# KiCad board 8851_HW-U1-VCU118_REV2-0_071417.kicad_pcb (continued)
## Routing (per net, layer and track width the routed paths; a pad name or vN(x,y) marks a point on that pad's centre or on a via; arc(x,y) is an arc through that point) (continued)
  07_SIG3 w0.287: 92.9,81.23 92.36,81.77 92.36,91.99 89.59,94.75 89.59,95.03 89.3,95.32 89.3,95.69 90.04,96.43 90.04,96.78 89.62,97.2 89.62,98.45 89.83,98.66 90.02,98.66 90.2,98.84 90.2,99.12 90.05,99.28 89.86,99.28 89.58,99.56 89.58,100.51 89.24,100.85 88.47,100.85 88.26,100.63 88.02,100.63 87.85,100.8 87.85,101.4 87.68,101.57 86.82,101.57 86.6,101.35 86.6,100.05 86.15,99.6 85.74,99.6 85.47,99.87 85.47,100.17 86.01,100.71 86.01,100.95 85.84,101.11 85.6,101.11 84.99,100.5 84.84,100.5 84.45,100.89 84.45,102.35 80.58,106.22 80.58,107.1
RLD3_C3_72B_BA2: length 158
  TOP w0.15: U141.H8 v2(93.73,113.51) ; 73.64,113.85 v2(73.15,113.35) ; v2(98.66,71.7) 99.15,71.2
  TOP w0.237: v2(93.73,107.6) 94.41,106.92 94.6,106.92
  05_SIG2 w0.258: v2(93.73,107.6) 93.22,108.1 93.22,113 v2(93.73,113.51)
  07_SIG3 w0.17: 82.08,107.1 82.08,107.66 81.53,108.22 81.53,112.63 81.29,112.86 74.78,112.86 74.29,113.35 v2(73.15,113.35) ; 93.72,89.52 93.72,87.05 93.3,86.62 93.3,83.25 93.6,82.95 93.9,82.95 94.15,82.7 94.15,82.4 94.52,82.03 94.93,82.03 95.21,81.74 95.21,81.33 95.5,81.05 95.91,81.05 96.2,80.76 96.2,80.35 96.49,80.06 97,80.06 97.15,79.91 97.15,79.35 97.4,79.1 97.88,79.1 98.15,79.38 98.15,79.9 98.31,80.06 103.9,80.06 104.1,79.86 104.1,76.38 104.35,76.13 104.78,76.13 105.02,75.9 105.02,75.39 105.28,75.13 105.83,75.13 105.99,74.98 105.99,74.48 106.29,74.18 113.69,74.18 113.91,73.95 113.91,73.33 113.77,73.2 112.13,73.2 111.94,73 111.94,72.38 112.11,72.21 113.74,72.21 113.91,72.04 113.91,71.39 113.74,71.22 111.09,71.22 110.92,71.4 110.92,72.93 110.7,73.15 110.14,73.15 109.96,72.96 109.96,71.41 109.77,71.22 109.13,71.22 108.96,71.39 108.96,72.91 108.74,73.14 106.36,73.14 106.03,73.47 106.03,73.83 105.73,74.12 100.38,74.12 100.12,73.87 100.12,73.5 99.83,73.2 98.31,73.2 98.14,73.03 98.14,72.51 98.66,71.99 v2(98.66,71.7)
  07_SIG3 w0.287: 93.72,89.52 93.72,95.08 92.85,95.95 92.85,95.97 92.32,96.5 92.32,101 93.76,102.43 93.76,103.99 93.55,104.2 86.38,104.2 86.18,104.01 86.18,103.8 85.99,103.6 85.71,103.6 85.52,103.8 85.52,104.01 85.33,104.2 84.51,104.2 82.08,106.62 82.08,107.1
  14_SIG4 w0.087: v2(93.73,113.51) 93.65,113.58 93.65,113.82 93.83,114.01 95.07,114.01 95.16,114.09 95.16,114.26 94.72,114.7 94.26,114.7 94.15,114.59 94.15,114.43 94.04,114.32 93.89,114.32 93.78,114.43 93.78,114.59 93.67,114.7 93.52,114.7 93.41,114.59 93.41,114.15 93.32,114.06 93.17,114.06 93.05,114.19 93.05,114.59 92.94,114.7 90.28,114.7 89.86,114.28 85.32,114.28 84.23,115.37 83.86,115.37 83.12,116.11 82.97,116.11 82.74,115.88 82.59,115.88 82.48,115.99 82.48,116.14 82.71,116.37 82.71,116.52 82.43,116.8 79.76,116.8 79.55,116.59 79.55,116.11 79.26,115.82 77.8,115.82 77.58,115.6 77.58,114.95 77.76,114.78 78.18,114.78 78.57,114.39 78.57,114.23 78.48,114.14 77.42,114.14 77.31,114.25 77.31,114.72 77.2,114.83 77.04,114.83 76.94,114.73 76.94,114.25 76.83,114.14 76.54,114.14 76.43,114.25 76.43,114.42 76.33,114.52 76.17,114.52 76.06,114.41 76.06,114.25 75.96,114.14 75.8,114.14 75.7,114.25 75.7,114.37 75.59,114.47 75.44,114.47 75.33,114.37 75.33,114.25 75.22,114.14 75.07,114.14 74.96,114.25 74.96,114.37 74.85,114.47 74.7,114.47 74.59,114.37 74.59,114.25 74.49,114.14 74.42,114.14 73.7,113.42 73.7,112.03 73.55,111.88 72.95,111.88 72.66,112.17 72.66,113.64 72.78,113.76 73.03,113.76 73.15,113.65 v2(73.15,113.35)
RLD3_C3_72B_BA3: length 160.2
  TOP w0.15: U141.H6 v2(90.78,113.51) ; v2(99.64,71.7) 100.13,71.2 ; 73.64,115.81 v2(73.15,116.31)
  TOP w0.237: v2(89.79,107.6) 89.79,106.94
  05_SIG2 w0.258: v2(89.79,107.6) 90.28,108.09 90.28,108.79 90.57,109.08 90.98,109.08 91.27,109.37 91.27,113.01 v2(90.78,113.51)
  07_SIG3 w0.17: v2(99.64,71.7) 99.34,71.7 99.2,71.83 99.2,72.07 99.33,72.21 99.79,72.21 100.13,72.55 100.13,72.92 100.36,73.15 105.82,73.15 106.06,72.91 106.06,72.48 106.32,72.21 107.8,72.21 107.97,72.04 107.97,70.35 108.14,70.18 115.63,70.18 115.86,70.41 115.86,70.92 115.6,71.18 115.08,71.18 114.93,71.33 114.93,74.91 114.7,75.15 106.28,75.15 106.02,75.42 106.02,75.76 105.72,76.06 105.4,76.06 105.08,76.39 105.08,80.8 104.83,81.05 98.32,81.05 98.17,80.9 98.17,80.4 97.85,80.08 97.47,80.08 97.17,80.38 97.17,80.8 96.92,81.05 96.49,81.05 96.2,81.33 96.2,81.74 95.91,82.03 95.5,82.03 95.21,82.32 95.21,82.73 95.01,82.94 94.61,82.94 94.2,83.35 94.2,86.67 94.4,86.88 94.4,89.52 ; v2(90.78,113.51) 91.28,114.01 91.28,115.27 91.28,115.27 91.28,115.67 91.28,115.68 91.28,116.26 91.28,116.26 91.28,116.66 91.28,117.24 91.28,117.24 91.28,120.69 91.47,120.88 92.27,120.88 92.48,120.67 92.48,115.44 92.06,115.02 92.06,114.86 92.15,114.77 92.55,114.77 92.65,114.68 92.65,114.46 92.56,114.37 91.8,114.37 91.72,114.3 91.72,114.09 91.83,113.98 92.46,113.98 92.55,113.89 92.55,113.19 92.38,113.01 87.62,113.01 87.33,113.3 87.33,113.71 86.99,114.05 84.95,114.05 82.2,116.8 81.72,116.8 81.53,116.99 81.53,117.62 81.38,117.77 80.71,117.77 80.54,117.6 80.54,117.04 80.29,116.8 74.8,116.8 74.31,116.31 v2(73.15,116.31) 72.65,115.81 72.65,115.05 73.69,114.02 82.15,114.02 82.55,113.62 82.55,107.57 83.02,107.1
  07_SIG3 w0.287: 83.02,107.1 84.09,106.03 84.9,106.03 85.82,105.11 91.84,105.11 92.79,106.06 93.65,106.06 94.02,105.68 94.02,104.79 94.45,104.36 94.45,102.18 93.53,101.26 93.53,99.92 94,99.44 94,95.75 94.4,95.35 94.4,89.52
RLD3_C3_72B_CK_N: length 158
  TOP w0.142: v2(75.12,115.32) U142.G7 ; v2(100.63,71.7) 101.12,71.2 ; v2(91.76,115.47) U141.G7
  03_SIG1 w0.135: 85.45,114.96 85.41,114.96 85.38,114.92 84.11,114.92 84,115.02 84,115.5 84.5,116 85.1,116 85.34,116.24 85.34,116.57 85.09,116.81 84.69,116.81 84.57,116.93 84.57,117.05 84.69,117.17 85.09,117.17 85.34,117.42 85.34,117.72 85.09,117.97 84.69,117.97 84.62,118.04 84.62,118.3 84.78,118.45 84.78,118.76 84.47,119.07 84.42,119.07 84.3,119.19 84.3,119.72 84.07,119.95 83.41,119.95 83.19,119.73 83.19,119.34 83.12,119.27 82.74,119.27 82.53,119.07 82.53,118.32 82.73,118.11 83.15,118.11 83.22,118.04 83.22,117.79 83.15,117.71 82.74,117.71 82.53,117.5 82.53,117.07 82.74,116.86 83.07,116.86 83.15,116.79 83.15,116.56 83.05,116.46 82.76,116.46 82.53,116.23 82.53,115.85 82.76,115.61 83,115.61 83.1,115.51 83.1,115.32 82.98,115.19 82.74,115.19 82.5,114.95 82.5,114.84 82.43,114.77 82.35,114.77 82.31,114.81 82.28,114.81
  03_SIG1 w0.175: v2(75.12,115.32) 74.37,115.32 74.2,115.15 74.2,114.85 73.88,114.52 72.18,114.52 72.08,114.42 72.08,114.22 72.15,114.15 74.24,114.15 74.9,114.81 82.28,114.81 ; v2(91.76,115.47) 91.76,114.86 91.57,114.67 91.01,114.67 90.73,114.96 90.3,114.96 89.98,114.63 89.98,114.5 89.82,114.35 89.6,114.35 89.45,114.5 89.45,114.63 89.12,114.96 88.65,114.96 88.33,114.63 88.33,114.5 88.17,114.35 87.95,114.35 87.8,114.5 87.8,114.63 87.47,114.96 86.88,114.96 86.57,114.65 86.35,114.65 86.05,114.96 85.45,114.96
  07_SIG3 w0.125: 95.36,88.13 95.32,88.09 95.32,85.28 95.62,84.97 ; 96.18,83.16 96.3,83.05 96.3,82.32 96.48,82.14 105.87,82.14 106.14,81.86 106.14,76.4 106.32,76.23 116.15,76.23 116.42,75.95 116.42,75.42 116.03,75.03 116.03,74.72 116.16,74.6 116.35,74.6 116.6,74.35 116.6,73.93 116.35,73.68 116.16,73.68 116.03,73.56 116.03,73.31 116.16,73.18 116.35,73.18 116.6,72.94 116.6,72.49 116.35,72.24 116.13,72.24 116.01,72.12 116.01,71.87 116.13,71.74 116.35,71.74 116.6,71.49 116.6,69.56 116.17,69.13 107.27,69.13 106.92,69.48 106.92,70.09 106.92,70.09 106.92,70.9 106.72,71.1 106.19,71.1 105.94,71.36 105.94,71.86 105.71,72.09 100.98,72.09 100.63,71.73 v2(100.63,71.7)
  07_SIG3 w0.175: v2(75.12,115.32) 74.59,115.85 74.11,115.85 73.82,115.56 73.82,115.08 74.16,114.74 82.28,114.74
  07_SIG3 w0.205: 82.28,114.74 82.77,114.74 83.37,114.14 83.37,108.2 84.53,107.04 96.87,107.04 97.38,106.53 97.38,106 97,105.61 96.78,105.61 96.58,105.41 96.58,105 96.78,104.79 97,104.79 97.38,104.41 97.38,103.81 96.27,102.69 96.27,101.9 95.43,101.06 95.2,101.06 94.93,100.79 94.93,96.58 95.36,96.14 95.36,88.13
  07_SIG3 w0.234: 96.18,83.16 96.18,84.7 95.91,84.97 95.62,84.97
  BOTTOM w0.142: R1292.1 91.05,114.99 91.3,115.24 91.3,115.44 91.46,115.6 91.63,115.6 v2(91.76,115.47)
RLD3_C3_72B_CK_P: length 157.9
  TOP w0.142: 73.64,114.83 v2(73.15,115.32) ; 101.12,70.22 v2(100.63,70.71) ; v2(91.76,113.51) U141.H7
  03_SIG1 w0.135: 85.45,114.66 85.41,114.66 85.38,114.7 84.01,114.7 83.78,114.93 83.78,115.59 84.41,116.22 85.01,116.22 85.11,116.33 85.11,116.47 85,116.59 84.6,116.59 84.35,116.84 84.35,117.14 84.6,117.39 85,117.39 85.11,117.51 85.11,117.63 85,117.75 84.6,117.75 84.4,117.94 84.4,118.39 84.55,118.54 84.55,118.67 84.38,118.85 84.33,118.85 84.07,119.1 84.07,119.63 83.98,119.72 83.5,119.72 83.41,119.64 83.41,119.25 83.22,119.05 82.83,119.05 82.75,118.97 82.75,118.41 82.82,118.34 83.24,118.34 83.45,118.13 83.45,117.7 83.24,117.49 82.83,117.49 82.75,117.41 82.75,117.17 82.83,117.09 83.16,117.09 83.37,116.88 83.37,116.47 83.14,116.24 82.85,116.24 82.75,116.14 82.75,115.94 82.85,115.84 83.09,115.84 83.32,115.61 83.32,115.22 83.07,114.97 82.84,114.97 82.72,114.86 82.72,114.75 82.53,114.55 82.35,114.55 82.31,114.51 82.28,114.51
  03_SIG1 w0.175: 82.28,114.51 75.03,114.51 74.36,113.85 72.03,113.85 71.78,114.1 71.78,114.55 72.05,114.83 73.75,114.83 73.9,114.97 73.9,115.15 73.73,115.32 v2(73.15,115.32) ; 85.45,114.66 85.92,114.66 86.23,114.35 86.7,114.35 87,114.66 87.35,114.66 87.5,114.5 87.5,114.38 87.83,114.05 88.3,114.05 88.63,114.38 88.63,114.5 88.78,114.66 89,114.66 89.15,114.5 89.15,114.38 89.48,114.05 89.95,114.05 90.28,114.38 90.28,114.5 90.43,114.66 90.61,114.66 v2(91.76,113.51)
  07_SIG3 w0.125: 95.11,85.05 95.11,88.09 95.06,88.13 ; 95.89,82.99 96.09,82.79 96.09,82.23 96.4,81.93 105.78,81.93 105.94,81.78 105.94,76.32 106.23,76.02 116.06,76.02 116.22,75.86 116.22,75.51 115.83,75.12 115.83,74.64 116.07,74.39 116.27,74.39 116.39,74.26 116.39,74.01 116.27,73.89 116.07,73.89 115.83,73.64 115.83,73.22 116.07,72.97 116.27,72.97 116.39,72.85 116.39,72.57 116.27,72.45 116.05,72.45 115.8,72.2 115.8,71.78 116.05,71.53 116.27,71.53 116.39,71.41 116.39,69.65 116.08,69.34 107.36,69.34 107.13,69.57 107.13,70.09 107.13,70.09 107.13,70.99 106.81,71.31 106.28,71.31 106.14,71.44 106.14,71.94 105.79,72.29 100.48,72.29 100.15,71.96 100.15,71.45 100.63,70.97 v2(100.63,70.71)
  07_SIG3 w0.175: v2(73.15,115.32) 74.04,114.44 82.28,114.44
  07_SIG3 w0.205: 95.06,88.13 95.06,96.02 94.63,96.45 94.63,100.91 95.08,101.36 95.31,101.36 95.97,102.02 95.97,102.82 97.08,103.93 97.08,104.29 96.88,104.49 96.66,104.49 96.28,104.88 96.28,105.53 96.66,105.91 96.88,105.91 97.08,106.12 97.08,106.41 96.75,106.74 84.4,106.74 83.07,108.08 83.07,114.01 82.64,114.44 82.28,114.44
  07_SIG3 w0.234: 95.89,82.99 95.48,82.99 95.24,83.23 95.24,84.92 95.11,85.05
  BOTTOM w0.142: 93.02,114.05 92.47,113.51 v2(91.76,113.51)
RLD3_C3_72B_CS_B: length 167.3
  TOP w0.15: v2(105.55,70.71) 106.04,70.22 ; U141.E12 v2(97.67,117.44) ; 76.6,109.91 v2(77.09,109.41)
  TOP w0.237: v2(99.64,119.41) 99.83,119.61 100.34,119.61
  TOP w0.375: U1.N29 v2(122.28,75.63)
  03_SIG1 w0.17: v2(77.09,109.41) 77.09,109.74 77.26,109.91 82.49,109.91 83.34,109.06 84.14,109.06 84.7,108.5 85.2,108.5 85.33,108.37 85.33,108.19 85.18,108.04 84.74,108.04 84.63,107.93 84.63,107.62 84.73,107.52 85.72,107.52 85.85,107.65 85.85,107.92 86.02,108.09 91.97,108.09 92.42,108.55 92.97,108.55 93.5,109.08 94.95,109.08 95.2,109.33 95.2,111.73 94.9,112.03 94.5,112.03 94.22,112.3 94.22,114.2 94.95,114.92 95.83,114.92 96.19,115.29 96.19,116.71 96.43,116.95 96.9,116.95 97.16,117.21 97.16,117.64 96.88,117.92 96.45,117.92 96.19,118.19 96.19,120.77 96.3,120.89 97.06,120.89 97.17,120.77 97.17,118.23 97.67,117.73 v2(97.67,117.44)
  07_SIG3 w0.17: v2(105.55,70.71) 105.05,70.21 105.05,68.53 104.8,68.28 103.42,68.28 103.03,68.67 103.03,69.08 103.17,69.22 103.95,69.22 104.1,69.38 104.1,70.05 103.93,70.22 102.25,70.22 102.12,70.34 102.12,71.05 101.92,71.25 101.4,71.25 101.1,70.95 101.1,70.38 100.94,70.22 100.42,70.22 100.13,70.51 100.13,70.92 99.85,71.2 98.45,71.2 98.17,71.49 98.17,71.9 97.88,72.19 97.47,72.19 97.18,72.48 97.18,73.87 96.89,74.16 96.49,74.16 96.2,74.44 96.2,75.95 96,76.15 95.45,76.15 95.21,76.39 95.21,77.8 94.93,78.09 94.46,78.09 94.23,78.32 94.23,78.79 93.94,79.08 93.1,79.08 92.9,79.27 ; v2(77.09,109.41) 76.6,108.92 75.82,108.92 75.61,108.7 75.61,108.07 75.73,107.94 76.41,107.94 76.67,107.67 76.67,107.21 76.64,107.17 76.64,107.13 76.6,107.1
  07_SIG3 w0.287: 92.9,79.27 90.9,81.27 90.9,85.85 90.77,85.98 90.77,86.19 91.02,86.44 91.02,86.66 90.8,86.88 90.58,86.88 90.34,86.63 90.12,86.63 89.9,86.85 89.9,87.07 91.03,88.2 91.03,88.42 90.81,88.64 90.59,88.64 89.46,87.51 89.24,87.51 89.02,87.73 89.02,87.95 91,89.93 91,90.15 90.78,90.37 90.56,90.37 88.58,88.39 88.36,88.39 88.14,88.61 88.14,88.83 90.75,91.43 90.75,91.65 90.53,91.87 90.31,91.87 87.71,89.26 87.49,89.26 87.27,89.48 87.27,89.68 89.9,92.31 89.9,92.53 89.68,92.75 89.46,92.75 86.85,90.14 86.61,90.14 86.39,90.36 86.39,90.58 87.3,91.48 87.3,91.7 87.08,91.92 86.86,91.92 86.63,91.7 86.15,91.7 85.25,92.6 84.47,92.6 84.25,92.83 84.25,93.75 84.4,93.9 84.72,93.9 84.83,94.01 84.83,94.39 84.69,94.52 84.4,94.52 84.25,94.68 84.25,94.99 84.4,95.14 84.72,95.14 84.88,95.3 84.88,95.58 84.69,95.76 84.4,95.76 84.25,95.92 84.25,97.6 83.99,97.86 83.99,99.18 83.64,99.53 83.27,99.53 82.65,100.14 81.68,100.14 81.17,100.65 81.17,102.85 80.97,103.05 80.62,103.05 80.35,103.33 80.35,104.1 80.12,104.33 79.67,104.33 79.42,104.08 79.42,103.9 79.25,103.73 79,103.73 77.98,104.74 77.98,105.15 78.27,105.44 78.79,105.44 79.03,105.67 79.03,105.97 78.88,106.12 77.82,106.12 77.64,106.3 77.64,106.78 77.48,106.95 77.29,106.95 77.11,106.77 77.11,106.47 76.84,106.2 76.02,106.2 75.9,106.08 75.9,105.8 75.74,105.65 75.43,105.65 75.28,105.8 75.28,106.08 75.12,106.23 73.92,106.23 73.77,106.08 73.77,105.78 73.61,105.62 73.3,105.62 73.15,105.78 73.15,106.08 72.99,106.23 72.68,106.23 72.53,106.08 72.53,105.78 72.37,105.62 72.06,105.62 71.91,105.78 71.91,106.41 71.62,106.7 70.88,106.7 70.72,106.85 70.72,107.27 70.96,107.51 72.38,107.51 72.54,107.36 72.54,107.06 72.74,106.86 73.68,106.86 73.88,107.06 73.88,107.46 74.04,107.62 74.35,107.62 74.5,107.46 74.5,107.06 74.71,106.86 76.36,106.86 76.6,107.1
  BOTTOM w0.237: v2(99.64,119.41) 99.38,119.41 98.89,119.9 97.46,119.9 97.42,119.87 97.42,119.87 97.17,119.62 97.17,117.94 v2(97.67,117.44)
RLD3_C3_72B_DK0_N: length 153
  TOP w0.142: v2(101.61,72.68) 102.1,72.19 ; v2(91.76,119.41) U141.C7
  TOP w0.375: v2(124.25,79.57) U1.J31
  20_SIG7 w0.105: v2(91.76,119.41) 91.37,119.02 90.53,119.02 90.38,119.17 90.38,120.72 90.12,120.99 87.53,120.99 87.23,120.69 87.23,114.91 87.21,114.89 87.21,114.87 ; 92.87,81.08 92.92,81.03 92.92,80.43 93.39,79.96 95.89,79.96 96.1,79.75 96.1,79.27 96.39,78.98 96.88,78.98 97.08,78.78 97.08,77.34 97.42,77.01 97.84,77.01 98.07,76.78 98.07,76.36 98.4,76.02 98.82,76.02 99.05,75.8 99.05,75.39 99.4,75.04 99.81,75.04 100.03,74.81 100.03,74.4 100.38,74.06 100.87,74.06 101.02,73.9 101.02,73.41 101.36,73.07 101.86,73.07 102,72.93 102,72.78 101.9,72.68 v2(101.61,72.68)
  20_SIG7 w0.106: 93.21,106.75 93.19,106.77 93.19,106.81 92.34,107.66 92.34,113.64 91.94,114.04 87.74,114.04 87.21,114.57 87.21,114.87
  20_SIG7 w0.138: 93.21,106.75 93.56,106.4 98.53,106.4 98.78,106.15 98.78,105.14 98.64,105 96.75,105 96.61,105.14 96.61,105.51 96.3,105.83 95.77,105.83 95.46,105.51 95.46,105.14 95.32,105 93.49,105 93.06,104.58 93.06,104.13 93.45,103.75 98.64,103.75 98.78,103.61 98.78,103.19 98.64,103.05 95.44,103.05 95.12,102.74 95.12,101.01 95.44,100.7 96.08,100.7 96.42,101.05 96.42,101.63 96.57,101.77 99.65,101.77 100.03,102.15 100.03,104.92 100.17,105.08 100.59,105.08 100.72,104.94 100.72,101.88 101.03,101.58 101.6,101.58 101.95,101.93 101.95,104.58 102.25,104.88 102.25,106.44 101.94,106.75 101.11,106.75 100.92,106.94 100.92,110.07 101.03,110.18 101.67,110.18 101.8,110.05 101.8,108.78 101.33,108.31 101.33,107.89 101.89,107.34 102.23,107.34 102.97,108.08 103.1,108.08 103.17,108 103.17,106.47 103.78,105.86 103.78,105.29 102.59,104.1 102.59,101.28 102.33,101.02 97.5,101.02 97.13,100.65 97.13,99.13 96.85,98.85 96.35,98.85 96.14,99.06 96.14,99.3 95.88,99.56 95.35,99.56 95.04,99.25 95.04,96.71 95.63,96.12 97.97,96.12 98.42,95.67 98.42,95.27 98.28,95.12 95.85,95.12 95.51,94.79 95.51,94.25 95.82,93.93 98.21,93.93 98.35,93.8 98.35,93.41 98.21,93.27 97.67,93.27 97.36,92.96 97.36,92.11 97.73,91.75 98.56,91.75 98.7,91.61 98.7,91.27 98.5,91.08 98.28,91.08 97.95,90.75 97.95,90.31 97.81,90.17 97.54,90.17 97.4,90.31 97.4,90.85 97.17,91.08 96.81,91.08 96.67,91.21 96.67,92.74 96.34,93.08 95.72,93.08 95.39,92.74 95.39,89.02 92.87,86.5 92.87,81.08
RLD3_C3_72B_DK0_P: length 152.5
  TOP w0.142: 103.09,72.19 v2(102.6,72.68) ; v2(91.76,118.43) U141.D7
  20_SIG7 w0.105: 93.17,81.08 93.12,81.04 93.12,80.51 93.48,80.16 95.97,80.16 96.3,79.83 96.3,79.35 96.47,79.18 96.96,79.18 97.28,78.86 97.28,77.42 97.5,77.21 97.93,77.21 98.27,76.87 98.27,76.44 98.49,76.22 98.91,76.22 99.25,75.88 99.25,75.47 99.48,75.24 99.89,75.24 100.23,74.9 100.23,74.48 100.46,74.26 100.95,74.26 101.22,73.99 101.22,73.5 101.44,73.27 101.94,73.27 102.2,73.01 102.2,72.78 102.31,72.68 v2(102.6,72.68) ; v2(91.76,118.43) 91.85,118.52 91.85,118.88 91.75,118.97 91.61,118.97 91.45,118.82 90.45,118.82 90.18,119.09 90.18,120.64 90.04,120.79 87.61,120.79 87.43,120.61 87.43,114.91 87.45,114.89 87.45,114.87
  20_SIG7 w0.106: 93.42,106.96 93.4,106.98 93.36,106.98 92.58,107.76 92.58,113.74 92.04,114.28 87.85,114.28 87.45,114.68 87.45,114.87
  20_SIG7 w0.138: 93.17,81.08 93.17,86.38 95.69,88.89 95.69,92.61 95.85,92.77 96.21,92.77 96.37,92.61 96.37,91.09 96.69,90.77 97.05,90.77 97.1,90.72 97.1,90.19 97.41,89.88 97.94,89.88 98.25,90.19 98.25,90.63 98.4,90.77 98.62,90.77 99,91.15 99,91.74 98.69,92.05 97.85,92.05 97.66,92.24 97.66,92.84 97.8,92.97 98.34,92.97 98.65,93.29 98.65,93.92 98.34,94.23 95.95,94.23 95.81,94.37 95.81,94.66 95.97,94.83 98.4,94.83 98.72,95.15 98.72,95.8 98.1,96.42 95.75,96.42 95.34,96.84 95.34,99.12 95.47,99.26 95.76,99.26 95.84,99.17 95.84,98.93 96.22,98.55 96.98,98.55 97.43,99 97.43,100.53 97.62,100.72 102.46,100.72 102.89,101.16 102.89,103.97 104.08,105.16 104.08,105.98 103.47,106.59 103.47,108.12 103.22,108.38 102.85,108.38 102.11,107.64 102.01,107.64 101.63,108.02 101.63,108.19 102.1,108.65 102.1,110.17 101.79,110.48 100.91,110.48 100.62,110.19 100.62,106.81 100.99,106.45 101.81,106.45 101.95,106.31 101.95,105 101.65,104.7 101.65,102.05 101.47,101.88 101.15,101.88 101.03,102 101.03,105.06 100.71,105.38 100.05,105.38 99.72,105.05 99.72,102.27 99.53,102.08 96.45,102.08 96.12,101.75 96.12,101.17 95.95,101 95.56,101 95.42,101.14 95.42,102.61 95.56,102.75 98.76,102.75 99.08,103.06 99.08,103.74 98.76,104.05 93.57,104.05 93.36,104.26 93.36,104.45 93.61,104.7 95.45,104.7 95.76,105.01 95.76,105.39 95.9,105.52 96.17,105.52 96.31,105.39 96.31,105.01 96.62,104.7 98.76,104.7 99.08,105.01 99.08,106.27 98.65,106.7 93.68,106.7 93.42,106.96
RLD3_C3_72B_DK1_N: length 152.8
  TOP w0.142: v2(101.61,73.66) 102.1,73.17 ; v2(91.76,110.55) U141.L7
  16_SIG5 w0.105: 103.09,83.22 103.09,82.96 102.99,82.86 102.99,78.34 102.84,78.19 102.34,78.19 102,77.85 102,73.77 101.9,73.66 v2(101.61,73.66)
  16_SIG5 w0.106: v2(91.76,110.55) 91.76,111.02 91.85,111.11 92.61,111.11 92.95,111.45 92.95,121.72 93.1,121.86 93.96,121.86 94.19,122.09 94.19,122.28 94.3,122.39 94.51,122.39 94.62,122.28 94.62,122.1 94.89,121.83 95.9,121.83 96.14,122.07 96.14,122.59 96.17,122.61 96.17,122.64
  16_SIG5 w0.128: 103.09,87.68 103.09,83.22
  16_SIG5 w0.138: 103.09,87.68 103.4,87.99 103.4,90.67 103.18,90.89 102.42,90.89 101.95,91.36 101.95,92.02 102.24,92.31 104.09,92.31 104.31,92.53 104.31,92.94 104.13,93.13 102.3,93.13 101.98,93.45 101.98,94.11 102.36,94.49 104.03,94.49 104.33,94.79 104.33,95.13 103.98,95.48 102.28,95.48 101.96,95.81 101.96,96.48 102.3,96.83 103.22,96.83 103.33,96.93 103.33,97.09 103.06,97.36 103.06,97.97 102.42,98.6 102.42,99.28 103,99.85 103,101.51 104.1,102.6 104.32,102.6 107.69,105.97 107.69,106.68 107.45,106.92 106.93,106.92 106.47,107.38 106.47,108.05 107.09,108.67 107.71,108.67 108.69,107.69 108.98,107.69 109.38,108.09 109.38,108.61 109.17,108.81 108.86,108.81 108.47,109.19 108.47,109.85 108.86,110.23 109.17,110.23 109.38,110.44 109.38,110.85 109.17,111.05 108.86,111.05 108.47,111.43 108.47,112.09 108.86,112.47 109.17,112.47 109.38,112.68 109.38,113.09 109.17,113.29 108.86,113.29 108.47,113.67 108.47,114.33 108.86,114.71 109.17,114.71 109.38,114.92 109.38,115.33 109.17,115.53 108.86,115.53 108.47,115.91 108.47,116.57 108.86,116.95 109.17,116.95 109.38,117.16 109.38,117.57 109.17,117.77 108.86,117.77 108.47,118.15 108.47,118.81 108.86,119.19 109.17,119.19 109.38,119.4 109.38,119.77 108.62,120.53 108.62,125.23 105.04,128.81 100.15,128.81 99.84,129.12 99.84,130.12 99.7,130.25 99.45,130.25 99.29,130.09 99.29,129.12 98.98,128.81 98.44,128.81 97.94,129.32 97.94,131.51 97.7,131.75 97.41,131.75 97.17,131.5 97.17,128.61 96.85,128.3 96.07,128.3 95.76,128.61 95.76,131.58 95.58,131.76 95.29,131.76 95.07,131.55 95.07,128.59 94.76,128.28 93.96,128.28 93.65,128.59 93.65,131.55 93.45,131.75 93.04,131.75 92.83,131.55 92.83,129.41 92.47,129.05 91.81,129.05 91.41,129.44 91.41,131.52 91.23,131.7 90.93,131.7 90.77,131.54 90.77,128.71 90.91,128.58 92.02,128.58 92.83,127.77 92.83,126 92.62,125.79 92.62,124.08 92.83,123.87 93.07,123.87 93.23,124.03 93.23,125.66 93.54,125.97 94.02,125.97 94.41,125.58 94.41,123.98 94.88,123.51 95.77,123.51 96.17,123.11 96.17,122.64
RLD3_C3_72B_DK1_P: length 153.6
  TOP w0.142: 103.09,73.17 v2(102.6,73.66) ; v2(91.76,111.54) U141.K7
  16_SIG5 w0.105: 103.27,82.82 103.24,82.82 103.19,82.77 103.19,78.26 102.92,77.99 102.43,77.99 102.2,77.77 102.2,73.73 102.27,73.66 v2(102.6,73.66)
  16_SIG5 w0.106: 95.87,122.64 95.87,122.61 95.9,122.59 95.9,122.17 95.79,122.07 94.99,122.07 94.86,122.2 94.86,122.38 94.61,122.63 94.2,122.63 93.95,122.38 93.95,122.19 93.86,122.11 93,122.11 92.71,121.82 92.71,111.55 92.51,111.35 91.94,111.35 v2(91.76,111.54)
  16_SIG5 w0.128: 104.07,87.61 104.07,83.29 103.79,83.01 103.46,83.01 103.27,82.82
  16_SIG5 w0.138: 104.07,87.61 104.07,87.68 103.7,88.05 103.7,90.79 103.3,91.19 102.54,91.19 102.25,91.48 102.25,91.89 102.36,92.01 104.21,92.01 104.61,92.41 104.61,93.07 104.25,93.43 102.43,93.43 102.28,93.58 102.28,93.99 102.48,94.19 104.15,94.19 104.63,94.67 104.63,95.25 104.1,95.78 102.41,95.78 102.26,95.93 102.26,96.36 102.42,96.52 103.35,96.52 103.63,96.81 103.63,97.21 103.36,97.48 103.36,98.09 102.72,98.73 102.72,99.15 103.3,99.73 103.3,101.38 104.17,102.25 104.4,102.25 107.99,105.84 107.99,106.81 107.57,107.22 107.05,107.22 106.78,107.5 106.78,107.93 107.22,108.37 107.59,108.37 108.57,107.39 109.11,107.39 109.68,107.96 109.68,108.73 109.3,109.11 108.98,109.11 108.78,109.32 108.78,109.73 108.98,109.93 109.3,109.93 109.68,110.31 109.68,110.97 109.3,111.35 108.98,111.35 108.78,111.56 108.78,111.97 108.98,112.17 109.3,112.17 109.68,112.55 109.68,113.21 109.3,113.59 108.98,113.59 108.78,113.8 108.78,114.21 108.98,114.41 109.3,114.41 109.68,114.79 109.68,115.45 109.3,115.83 108.98,115.83 108.78,116.04 108.78,116.45 108.98,116.65 109.3,116.65 109.68,117.03 109.68,117.69 109.3,118.07 108.98,118.07 108.78,118.28 108.78,118.69 108.98,118.89 109.3,118.89 109.68,119.27 109.68,119.9 108.92,120.66 108.92,125.36 105.17,129.11 100.28,129.11 100.14,129.25 100.14,130.24 99.83,130.55 99.33,130.55 98.99,130.22 98.99,129.25 98.85,129.11 98.57,129.11 98.24,129.44 98.24,131.64 97.82,132.05 97.29,132.05 96.87,131.63 96.87,128.74 96.73,128.6 96.2,128.6 96.06,128.74 96.06,131.7 95.7,132.06 95.16,132.06 94.77,131.67 94.77,128.71 94.63,128.58 94.09,128.58 93.95,128.71 93.95,131.67 93.57,132.05 92.91,132.05 92.53,131.67 92.53,129.53 92.34,129.35 91.93,129.35 91.71,129.57 91.71,131.65 91.35,132 90.81,132 90.47,131.67 90.47,128.59 90.78,128.28 91.9,128.28 92.53,127.65 92.53,126.12 92.32,125.92 92.32,123.96 92.71,123.57 93.19,123.57 93.53,123.9 93.53,125.53 93.66,125.67 93.89,125.67 94.11,125.46 94.11,123.86 94.75,123.21 95.64,123.21 95.87,122.99 95.87,122.64
